# Altium PCB Controller A20.PcbDoc (part 2 of 2)
Units mm, origin at the board's own origin, x right, y up, seen from the top; angles counter-clockwise.
Board outline 197 x 100 mm, 4 copper layers (Top Layer, L2 (GND), L3 (PWR), Bottom Layer), stack 1.445 mm thick; 205 components, 161 nets, 772 pads, 878 vias.
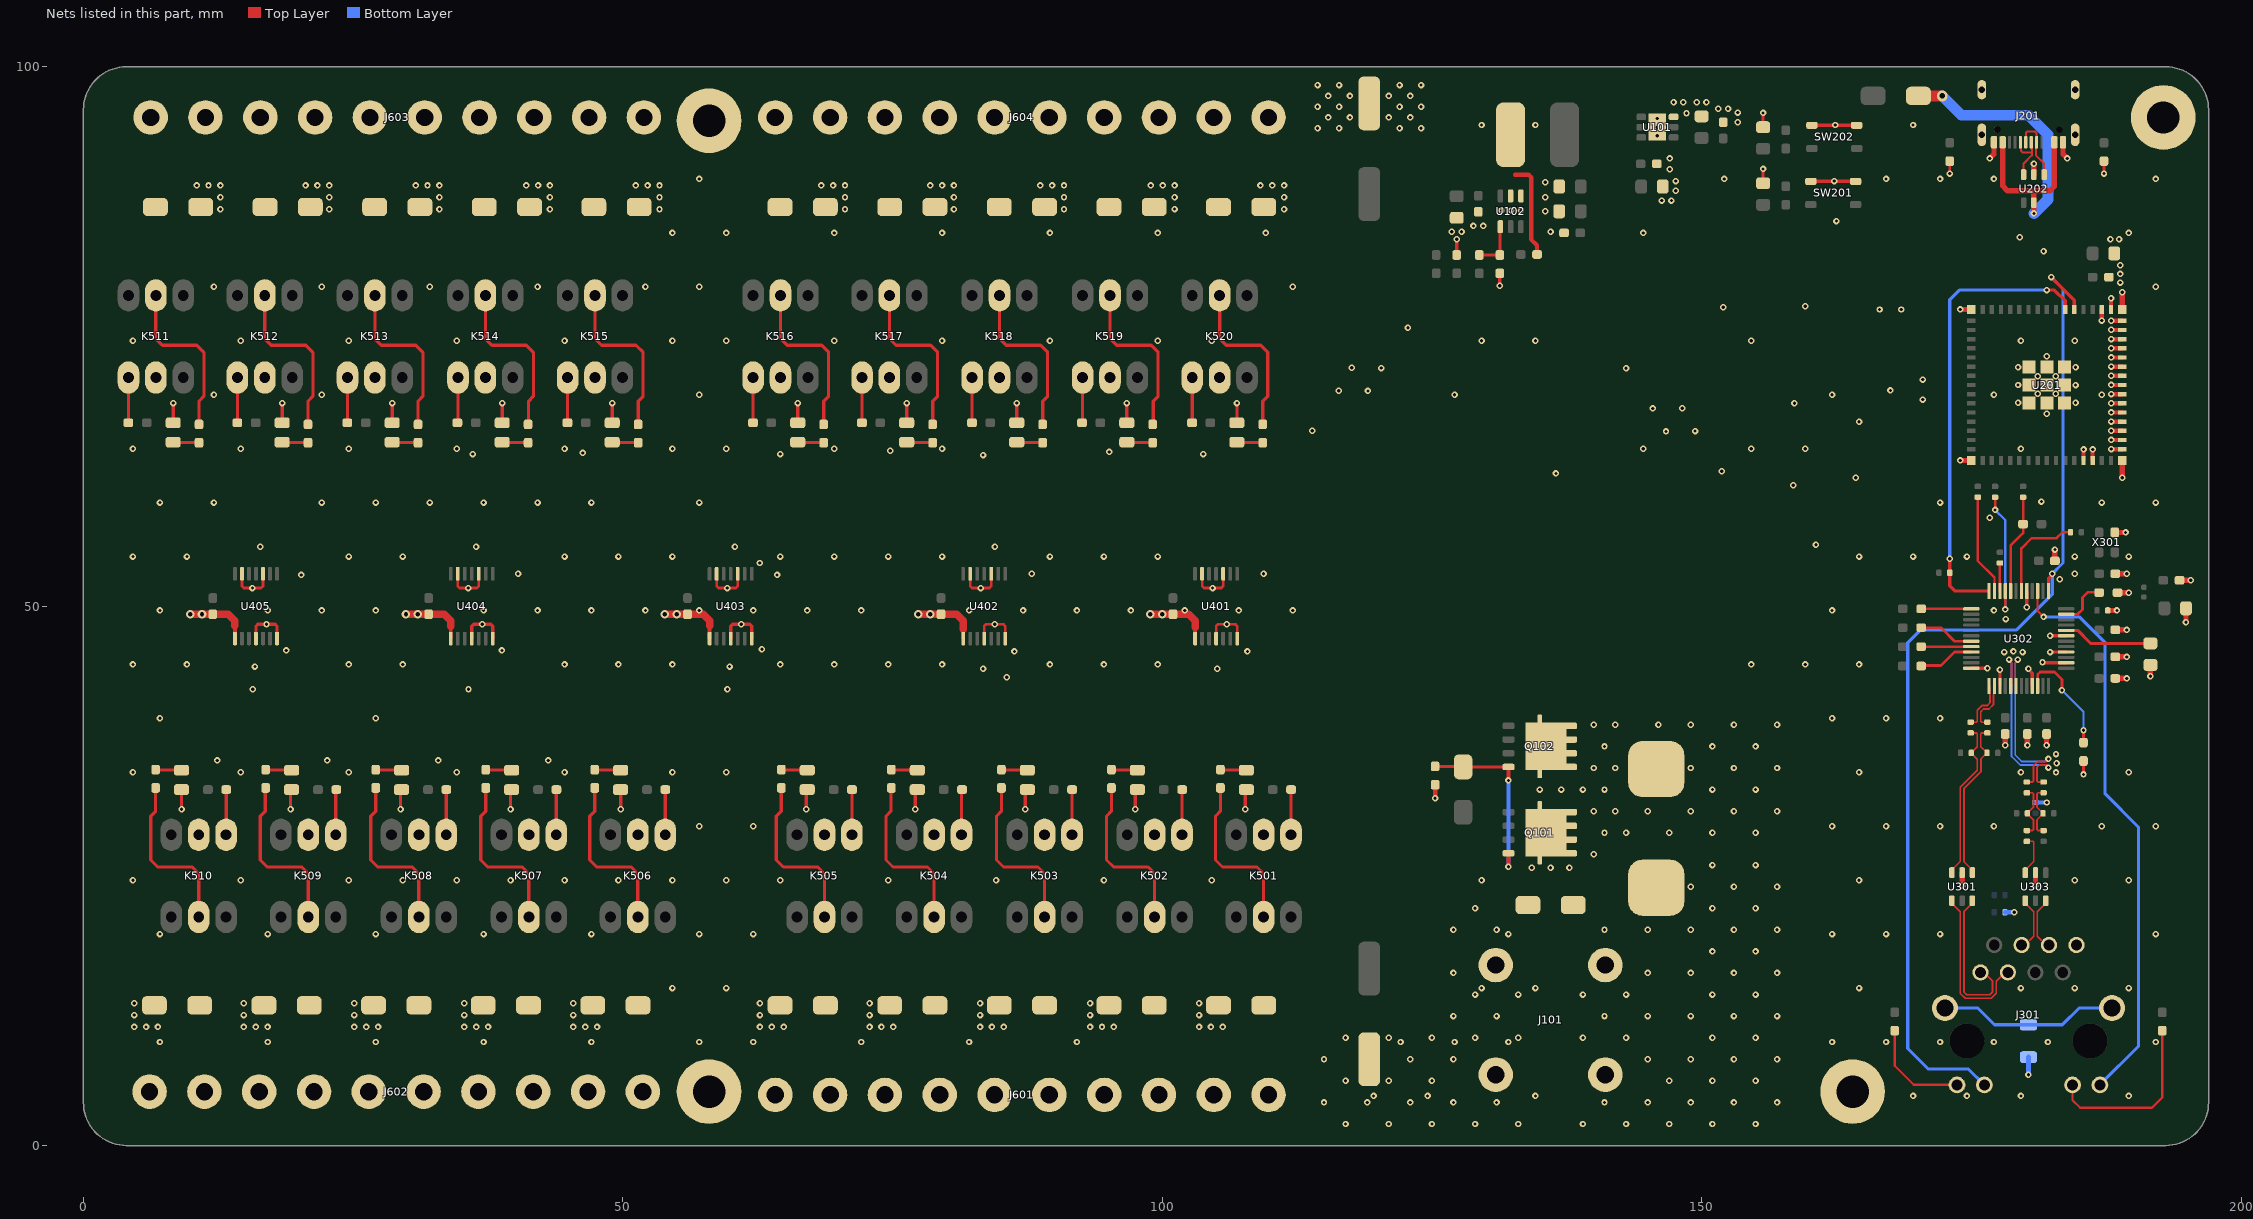
[diagram p4: the nets of this part, all layers, seen from the top]

## Via types
v1: diameter 0.6, hole 0.3, Top Layer to Bottom Layer, tented both sides, 842 vias
v2: diameter 0.8, hole 0.4, Top Layer to Bottom Layer, tented both sides, 21 vias
v3: diameter 0.6, hole 0.3, Top Layer to Bottom Layer, tented top, 7 vias
v4: diameter 0.6, hole 0.3, Top Layer to Bottom Layer, tented bottom, 6 vias
v5: diameter 1, hole 0.5, Top Layer to Bottom Layer, tented both sides, 2 vias

## Nets (pads, with @x,y where several pads share a name; then routed paths per layer and width w, separated by ;. In a path a pad name is that pad's centre, name@x,y a point inside that pad or via, vN(x,y) a via of type N, cw(c..) or ccw(c..) an arc to the next point about the centre after c; other vN are vias at no path point) (continued)
ETH_RX_P: C310.2 U303.3 | length 3.6
  Top Layer w0.16: U303.3@180,25.55 180.785,26.335 180.785,27.743 180.785,28.106 180.691,28.2 C310.2@180.146,28.2
EXPRES1: R317.2 U302.10 | length 10.4
  Top Layer w0.25: U302.10@181.15,42.6 181.15,43.65 181.4,43.9 182.7,43.9 183.4,43.2 v1(183.4,42.2) ; R317.2@185.4,37.35 v1(185.4,38.5)
  Bottom Layer w0.2: v1(183.4,42.2) 185.4,40.2 v1(185.4,38.5)
FB: R103.1 R105.2 U102.4 | length 4.5
  Top Layer w0.3: R103.1@129.4,82.55 R105.2@131.3,82.55 131.325,82.575 131.325,85.15 U102.4@131.35,85.175
FET_Rev_G: D101.1 Q101.4 Q102.4 R101.2 | length 17.3
  Top Layer w0.3: R101.2@125.3,35.15 127.85,35.15 D101.1@127.9,35.1 127.905,35.095 Q102.4@132.1,35.095
  Top Layer w0.4: v1(132.1,25.845) Q101.4@132.1,27.095 ; v1(132.1,33.845) Q102.4@132.1,35.095
  Bottom Layer w0.4: v1(132.1,25.845) v1(132.1,33.845)
GND: C101.1 C102.1 C103.1 C104.1 C106.1 C107.1 C108.1 C109.1 C110.1 C111.2 C112.2 C201.1 C202.1 C203.1 C204.1 C301.1 C302.1 C303.1 C304.1 C305.1 C306.1 C307.1 C308.1 C309.1 C312.1 C313.1 C314.1 C315.1 C316.1 C317.1 C401.1 C402.1 C403.1 C404.1 C405.1 D102.1 D601.1 D602.1 D603.1 D604.1 D605.1 D606.1 D607.1 D608.1 D609.1 D610.1 D611.1 D612.1 D613.1 D614.1 D615.1 D616.1 D617.1 D618.1 D619.1 D620.1 D621.2 D622.2 D623.2 D624.2 D625.2 D626.2 D627.2 D628.2 D629.2 D630.2 D631.2 D632.2 D633.2 D634.2 D635.2 D636.2 D637.2 D638.2 D639.2 D640.2 J101.1 J102.1 J103.1 J104.1 J105.1 J201.A1B12/B1A12 J201.SH J301.8 J601.2 J601.4 J601.6 J601.8 J601.10 J602.2 J602.4 J602.6 J602.8 J602.10 J603.2 J603.4 J603.6 J603.8 J603.10 J604.2 J604.4 J604.6 J604.8 J604.10 K501.2 K502.2 K503.2 K504.2 K505.2 K506.2 K507.2 K508.2 K509.2 K510.2 K511.2 K512.2 K513.2 K514.2 K515.2 K516.2 K517.2 K518.2 K519.2 K520.2 R101.1 R104.1 R105.1 R201.1 R202.1 R317.1 R321.1 SW201.2 SW202.2 U101.3 U102.1 U201.1 U202.2 U301.2 U302.3 U302.29 U303.2 U401.1 U401.4 U401.7 U401.10 U401.13 U402.1 U402.4 U402.7 U402.10 U402.13 U403.1 U403.4 U403.7 U403.10 U403.13 U404.1 U404.4 U404.7 U404.10 U404.13 U405.1 U405.4 U405.7 U405.10 U405.13 X301.2 | length 190.2
  Top Layer w0.25: U405.13@14.7,53 14.7,51.85 14.875,51.675 v1(15.675,51.675) 16.475,51.675 16.65,51.85 U405.10@16.65,53 ; U404.13@34.7,53 34.7,51.85 34.875,51.675 v1(35.675,51.675) 36.475,51.675 36.65,51.85 U404.10@36.65,53 ; U403.13@58.7,53 58.7,51.85 58.875,51.675 v1(59.675,51.675) 60.475,51.675 60.65,51.85 U403.10@60.65,53 ; U402.13@82.2,53 82.2,51.85 82.375,51.675 v1(83.175,51.675) 83.975,51.675 84.15,51.85 U402.10@84.15,53 ; U402.4@83.5,47 83.5,48.15 83.675,48.325 v1(84.475,48.325) 85.275,48.325 85.45,48.15 U402.7@85.45,47 ; U401.13@103.7,53 103.7,51.85 103.875,51.675 v1(104.675,51.675) 105.475,51.675 105.65,51.85 U401.10@105.65,53 ; U401.4@105,47 105,48.15 105.175,48.325 v1(105.975,48.325) 106.775,48.325 106.95,48.15 U401.7@106.95,47 ; v1@173,90 v1(173,90.1) R202.1@173,91.25 ; v1(185.4,34.4) R317.1@185.4,35.65 ; v1@187.3,90 v1(187.3,90.1) R201.1@187.3,91.25
  Top Layer w0.3: D631.2@8.325,67.004 v1(8.325,68.825) ; v1(9.103,31.175) D630.2@9.103,32.996 ; U405.4@16,47 16,48.15 16.175,48.325 v1(16.975,48.325) 17.775,48.325 17.95,48.15 U405.7@17.95,47 ; D632.2@18.425,67.004 v1(18.425,68.825) ; v1(19.203,31.175) D629.2@19.203,32.996 ; D633.2@28.625,67.004 v1(28.625,68.825) ; v1(29.403,31.175) D628.2@29.403,32.996 ; U404.4@36,47 36,48.15 36.175,48.325 v1(36.975,48.325) 37.775,48.325 37.95,48.15 U404.7@37.95,47 ; D634.2@38.825,67.004 v1(38.825,68.825) ; v1(39.603,31.175) D627.2@39.603,32.996 ; D635.2@49.025,67.004 v1(49.025,68.825) ; v1(49.803,31.175) D626.2@49.803,32.996 ; U403.4@60,47 60,48.15 60.175,48.325 v1(60.975,48.325) 61.775,48.325 61.95,48.15 U403.7@61.95,47 ; D636.2@66.223,67.004 v1(66.223,68.825) ; v1(67.001,31.175) D625.2@67.001,32.996 ; D637.2@76.323,67.004 v1(76.323,68.825) ; v1(77.101,31.175) D624.2@77.101,32.996 ; D638.2@86.523,67.004 v1(86.523,68.825) ; v1(87.301,31.175) D623.2@87.301,32.996 ; D639.2@96.723,67.004 v1(96.723,68.825) ; v1(97.501,31.175) D622.2@97.501,32.996 ; D640.2@106.923,67.004 v1(106.923,68.825) ; v1(107.701,31.175) D621.2@107.701,32.996 ; R104.1@127.3,82.55 v1(127.3,84) ; v1(131.3,79.7) R105.1@131.3,80.85 ; C203.1@155.7,89.2 v1(155.7,90.525) ; C204.1@155.7,94.4 v1(155.7,95.725) ; SW201.2@160.138,89.387 162.287,89.387 v1(162.3,89.4) 162.313,89.387 SW201.2@164.263,89.387 ; SW202.2@160.237,94.587 v1@162.387,94.587 ; v1@162.412,94.587 SW202.2@164.362,94.587 ; U302.3@175,44.25 v1(176.5,44.25) ; U302.3@177.65,42.6 v1(177.65,44.1) ; v1(180.15,49.9) U302.29@180.15,51.4 ; v1(180.3,44.2) 180.3,44.15 180.65,43.8 U302.3@180.65,42.6 ; v1(181.6,44.8) 181.65,44.75 U302.3@183.8,44.75 ; v1(182.3,45.75) U302.3@183.8,45.75 ; v1(182.3,47.25) U302.3@183.8,47.25
  Top Layer w0.35: U405.1@14.05,47 14.05,48.2 ; U404.1@34.05,47 34.05,48.125 ; U403.1@58.05,47 58.05,48.2 ; U402.1@81.55,47 81.55,47.85 ; U401.1@103.05,47 103.05,48.05
  Top Layer w0.381: U201.1@185.4,63.5 v1@185.4,64.52 ; U201.1@186.25,63.5 v1@186.25,64.52
  Top Layer w0.4: v1(125.3,32.2) R101.1@125.3,33.45 ; v1@187.1,76.48 U201.1@187.1,77.5 ; U201.1@187.95,77.5 v1@187.95,78.52 ; v1@187.98,64.55 U201.1@189,64.55 ; v1@187.98,65.4 U201.1@189,65.4 ; v1@187.98,66.25 U201.1@189,66.25 ; v1@187.98,67.1 U201.1@189,67.1 ; v1@187.98,67.95 U201.1@189,67.95 ; v1@187.98,68.8 U201.1@189,68.8 ; v1@187.98,69.65 U201.1@189,69.65 ; v1@187.98,70.5 U201.1@189,70.5 ; v1@187.98,71.35 U201.1@189,71.35 ; v1@187.98,72.2 U201.1@189,72.2 ; v1@187.98,73.05 U201.1@189,73.05 ; v1@187.98,73.9 U201.1@189,73.9 ; v1@187.98,74.75 U201.1@189,74.75 ; v1@187.98,75.6 U201.1@189,75.6 ; v1@187.98,76.45 U201.1@189,76.45
  Top Layer w0.5: v1@173.98,63.5 U201.1@175,63.5 ; v1@173.98,77.5 U201.1@175,77.5 ; v1(174.15,24.1) U301.2@174.15,25.3 ; v1(176.7,91.5) 177.1,91.9 J201.A1B12/B1A12@177.1,93 ; v1(178.148,37.104) C305.1@178.148,38.154 ; v1(180.2,37.1) C304.1@180.2,38.15 ; U202.2@180.8,90 v1(180.8,91) ; v1(180.95,24.1) U303.2@180.95,25.3 ; v1(181.975,37.1) C308.1@181.975,38.15 ; C309.1@182.75,54.2 v1(182.75,55.25) ; J201.A1B12/B1A12@183.5,93 183.5,91.9 v1(183.9,91.5) ; R317.1@185.397,35.647 R317.1@185.4,35.65 ; C314.1@187.65,49.6 v1(188.5,49.6) ; X301.2@188.25,56.833 X301.2@188.3,56.833 v1(189.3,56.833) ; C307.1@188.35,43.3 v1(189.4,43.3) ; C306.1@188.35,45.3 v1(189.4,45.3) ; C303.1@188.35,47.8 v1(189.4,47.8) ; C316.1@188.35,53.008 v1(189.4,53.008) ; R321.1@188.55,51.254 v1(189.6,51.254) ; v1(189,61.9) U201.1@189,63.5 ; U201.1@189,77.5 v1(189,79.1) ; v1(191.6,43.5) C313.1@191.6,44.55 ; C301.1@194.3,52.4 v1(195.35,52.4) ; v1(194.9,48.5) C302.1@194.9,49.8
  Top Layer w0.7: v2(9.9,49.25) v2(11,49.25) 13.45,49.25 14.05,48.65 14.05,48.2 ; v2(29.9,49.25) 33.45,49.25 34.05,48.65 34.05,48.125 ; v2(53.9,49.25) v2(55,49.25) 57.45,49.25 58.05,48.65 58.05,48.2 ; v2(77.4,49.25) v2(78.5,49.25) 80.95,49.25 81.55,48.65 81.55,47.85 ; v2(98.9,49.25) v2(100,49.25) 102.45,49.25 103.05,48.65 103.05,48.05
  Bottom Layer w0.4: C317.1@178.125,21.625 v1(178.975,21.625) ; C312.1@180.95,31.8 v1(182,31.8)
  Bottom Layer w0.5: v1(180.3,6.575) C315.1@180.3,8.2
  other v1: 117,2 121,2 125,2 129,2 133,2 115,4 119,4 123,4 127,4 131,4 119.6,4.6 124.6,4.6 134.6,4.6 169.6,4.6 174.6,4.6 179.6,4.6 189.6,4.6 117,6 121,6 125,6 115,8 123,8 127,8 7.1,9.6 17.1,9.6 27.1,9.6 37.1,9.6 47.1,9.6 57.1,9.6 62.1,9.6 72.1,9.6 82.1,9.6 92.1,9.6 122.1,9.6 127.1,9.6 132.1,9.6 162.1,9.6 167.1,9.6 172.1,9.6 177.1,9.6 182.1,9.6 192.1,9.6 117,10 121,10 125,10 129,10 133,10 4.711,10.995 5.811,10.995 6.911,10.995 14.871,10.995 15.971,10.995 17.071,10.995 25.115,10.995 26.215,10.995 27.315,10.995 35.315,10.995 36.415,10.995 37.515,10.995 45.415,10.995 46.515,10.995 47.615,10.995 62.717,11 63.817,11 64.917,11 72.877,11 73.977,11 75.077,11 83.121,11 84.221,11 85.321,11 93.321,11 94.421,11 95.521,11 103.421,11 104.521,11 105.621,11 127,12 131,12 4.711,12.095 14.871,12.095 25.115,12.095 35.315,12.095 45.415,12.095 62.717,12.1 72.877,12.1 83.121,12.1 93.321,12.1 103.421,12.1 4.711,13.195 14.871,13.195 25.115,13.195 35.315,13.195 45.415,13.195 62.717,13.2 72.877,13.2 83.121,13.2 93.321,13.2 103.421,13.2 129,14 133,14 54.6,14.6 59.6,14.6 129.6,14.6 134.6,14.6 164.6,14.6 179.6,14.6 184.6,14.6 189.6,14.6 127,16 7.1,19.6 17.1,19.6 27.1,19.6 37.1,19.6 47.1,19.6 57.1,19.6 62.1,19.6 132.1,19.6 162.1,19.6 167.1,19.6 172.1,19.6 192.1,19.6 127,20 131,20 129,22 4.6,24.6 14.6,24.6 24.6,24.6 29.6,24.6 34.6,24.6 39.6,24.6 44.6,24.6 49.6,24.6 54.6,24.6 59.6,24.6 64.6,24.6 74.6,24.6 84.6,24.6 94.6,24.6 104.6,24.6 129.6,24.6 164.6,24.6 184.6,24.6 189.6,24.6 57.1,29.6 62.1,29.6 162.1,29.6 167.1,29.6 172.1,29.6 177.1,29.6 187.1,29.6 192.1,29.6 4.6,34.6 14.6,34.6 24.6,34.6 34.6,34.6 44.6,34.6 54.6,34.6 59.6,34.6 164.6,34.6 179.6,34.6 182.85,34.59 189.6,34.6 182.9,35.44 12.4,35.7 22.6,35.7 32.9,35.7 43.1,35.7 182.85,36.29 7.1,39.6 27.1,39.6 162.1,39.6 167.1,39.6 172.1,39.6 15.7,42.3 35.7,42.3 59.7,42.3 85.6,43.4 83.4,44.2 105.1,44.2 15.9,44.4 59.9,44.4 4.6,44.6 9.6,44.6 24.6,44.6 29.6,44.6 44.6,44.6 49.6,44.6 54.6,44.6 64.6,44.6 69.6,44.6 74.6,44.6 79.6,44.6 89.6,44.6 94.6,44.6 99.6,44.6 154.6,44.6 159.6,44.6 164.6,44.6 178.05,45.75 179.75,45.75 86.3,45.8 107.9,45.8 178.9,45.8 18.8,45.9 38.8,45.9 62.9,46 178.2,48.8 7.1,49.6 17.1,49.6 22.1,49.6 27.1,49.6 37.1,49.6 42.1,49.6 47.1,49.6 52.1,49.6 57.1,49.6 62.1,49.6 67.1,49.6 72.1,49.6 82.1,49.6 87.1,49.6 92.1,49.6 97.1,49.6 102.1,49.6 107.1,49.6 112.1,49.6 162.1,49.6 177.1,49.6 183.2,52.5 20.2,52.9 64.3,52.9 40.3,53 87.9,53 109.4,53 184.6,53 62.7,54 4.6,54.6 9.6,54.6 24.6,54.6 29.6,54.6 44.6,54.6 49.6,54.6 54.6,54.6 64.6,54.6 69.6,54.6 74.6,54.6 79.6,54.6 89.6,54.6 94.6,54.6 99.6,54.6 164.6,54.6 169.6,54.6 174.6,54.6 184.6,54.6 189.6,54.6 16.4,55.5 36.4,55.5 60.4,55.5 84.5,55.5 160.6,55.7 176.7,58.2 7.1,59.6 12.1,59.6 22.1,59.6 27.1,59.6 32.1,59.6 37.1,59.6 42.1,59.6 47.1,59.6 57.1,59.6 172.1,59.6 187.1,59.6 192.1,59.6 181.5,59.7 158.5,61.2 164.3,61.9 136.5,62.3 173.969,63.511 83.4,64 36.1,64.1 64.6,64.1 103.8,64.1 46.3,64.2 95.1,64.3 74.8,64.4 185.411,64.531 186.261,64.531 187.969,64.561 4.6,64.6 14.6,64.6 24.6,64.6 34.6,64.6 44.6,64.6 54.6,64.6 59.6,64.6 69.6,64.6 79.6,64.6 154.6,64.6 159.6,64.6 179.6,64.6 187.969,65.411 187.969,66.261 164.6,67.1 187.969,67.111 181.999,67.832 187.969,67.961 158.6,68.8 187.969,68.811 179.332,68.851 184.668,68.849 170.5,69.15 12.1,69.6 22.1,69.6 57.1,69.6 127.1,69.6 162.1,69.6 177.1,69.6 187.1,69.6 187.969,69.661 181.161,69.687 182.837,69.687 167.5,70 179.332,70.501 184.668,70.499 187.969,70.511 170.5,71 181.161,71.313 182.837,71.313 187.969,71.361 179.332,72.151 184.668,72.149 187.969,72.211 187.969,73.061 182.001,73.168 187.969,73.911 4.6,74.6 14.6,74.6 24.6,74.6 34.6,74.6 44.6,74.6 54.6,74.6 59.6,74.6 69.6,74.6 79.6,74.6 89.6,74.6 99.6,74.6 104.6,74.6 129.6,74.6 134.6,74.6 154.6,74.6 179.6,74.6 184.6,74.6 187.969,74.761 187.969,75.611 187.969,76.461 187.089,76.469 166.5,77.5 168.5,77.5 173.969,77.511 152,77.7 159.6,77.8 187.961,78.531 12.1,79.6 22.1,79.6 32.1,79.6 42.1,79.6 52.1,79.6 57.1,79.6 112.1,79.6 192.1,79.6 188.8,80 188.8,80.8 188.8,81.6 181.7,82.9 187.9,84 188.7,84 179.5,84.2 54.6,84.6 59.6,84.6 69.6,84.6 79.6,84.6 89.6,84.6 99.6,84.6 109.6,84.6 144.6,84.6 189.6,84.6 126.85,84.7 127.75,84.7 136,84.7 128.85,85.25 129.75,85.25 162.5,85.7 135.5,86.6 131.45,86.675 132.35,86.675 133.25,86.675 12.7,86.8 22.8,86.8 33,86.8 43.244,86.8 53.404,86.8 70.598,86.8 80.698,86.8 90.898,86.8 111.302,86.8 101.147,86.805 146.3,87.6 147.2,87.6 12.7,87.9 22.8,87.9 33,87.9 43.244,87.9 53.404,87.9 70.598,87.9 80.698,87.9 90.898,87.9 101.147,87.905 111.302,87.9 135.5,87.9 147.6,88.5 10.5,89 11.6,89 12.7,89 20.6,89 21.7,89 22.8,89 30.8,89 31.9,89 33,89 41.044,89 42.144,89 43.244,89 51.204,89 52.304,89 53.404,89 68.398,89 69.498,89 70.598,89 78.498,89 79.598,89 80.698,89 88.698,89 89.798,89 90.898,89 98.947,89.005 100.047,89.005 101.147,89.005 109.102,89 110.202,89 111.302,89 135.5,89.3 147.6,89.4 57.1,89.6 152.1,89.6 167.1,89.6 172.1,89.6 177.1,89.6 192.1,89.6 147.05,90.5 147.05,91.5 145.9,93.6 114.4,94.3 116.4,94.3 122,94.3 124,94.3 145.9,94.4 129.6,94.6 134.6,94.6 162.4,94.6 169.6,94.6 153.35,94.85 145.9,95.2 115.4,95.3 117.4,95.3 121,95.3 123,95.3 148.6,95.7 153.35,95.75 151.55,96.1 152.45,96.1 114.4,96.3 116.4,96.3 122,96.3 124,96.3 147.4,96.7 148.3,96.7 149.55,96.7 150.45,96.7 115.4,97.3 117.4,97.3 121,97.3 123,97.3 114.4,98.3 116.4,98.3 122,98.3 124,98.3
  other v2: 31,49.25
  other v3: 151.875,62.5 144.6,64.6 146.7,66.2 149.4,66.225 145.475,68.325 148.2,68.35 143,72.05
  other v4: 113.9,66.25 119.075,69.95 116.375,69.975 120.3,72.075 117.575,72.1 122.775,75.8
LED_A_1: D621.1 R601.1 | length 2.4
  Top Layer w0.3: R601.1@105.395,34.845 105.42,34.82 107.77,34.82 D621.1@107.795,34.795
LED_A_2: D622.1 R602.1 | length 2.4
  Top Layer w0.3: R602.1@95.295,34.845 95.32,34.82 97.67,34.82 D622.1@97.695,34.795
LED_A_3: D623.1 R603.1 | length 2.4
  Top Layer w0.3: R603.1@85.095,34.845 85.12,34.82 87.47,34.82 D623.1@87.495,34.795
LED_A_4: D624.1 R604.1 | length 2.4
  Top Layer w0.3: R604.1@74.851,34.845 74.876,34.82 77.226,34.82 D624.1@77.251,34.795
LED_A_5: D625.1 R605.1 | length 2.4
  Top Layer w0.3: R605.1@64.691,34.845 64.716,34.82 67.066,34.82 D625.1@67.091,34.795
LED_A_6: D626.1 R606.1 | length 2.4
  Top Layer w0.3: R606.1@47.394,34.845 47.419,34.82 49.769,34.82 D626.1@49.794,34.795
LED_A_7: D627.1 R607.1 | length 2.4
  Top Layer w0.3: R607.1@37.294,34.845 37.319,34.82 39.669,34.82 D627.1@39.694,34.795
LED_A_8: D628.1 R608.1 | length 2.4
  Top Layer w0.3: R608.1@27.094,34.845 27.119,34.82 29.469,34.82 D628.1@29.494,34.795
LED_A_9: D629.1 R609.1 | length 2.4
  Top Layer w0.3: R609.1@16.85,34.845 16.875,34.82 19.225,34.82 D629.1@19.25,34.795
LED_A_10: D630.1 R610.1 | length 2.4
  Top Layer w0.3: R610.1@6.69,34.845 6.715,34.82 9.065,34.82 D630.1@9.09,34.795
LED_A_11: D631.1 R611.1 | length 2.4
  Top Layer w0.3: D631.1@8.321,65.2 8.346,65.175 10.696,65.175 R611.1@10.721,65.15
LED_A_12: D632.1 R612.1 | length 2.4
  Top Layer w0.3: D632.1@18.421,65.2 18.446,65.175 20.796,65.175 R612.1@20.821,65.15
LED_A_13: D633.1 R613.1 | length 2.4
  Top Layer w0.3: D633.1@28.621,65.2 28.646,65.175 30.996,65.175 R613.1@31.021,65.15
LED_A_14: D634.1 R614.1 | length 2.4
  Top Layer w0.3: D634.1@38.865,65.2 38.89,65.175 41.24,65.175 R614.1@41.265,65.15
LED_A_15: D635.1 R615.1 | length 2.4
  Top Layer w0.3: D635.1@49.025,65.2 49.05,65.175 51.4,65.175 R615.1@51.425,65.15
LED_A_16: D636.1 R616.1 | length 2.4
  Top Layer w0.3: D636.1@66.224,65.205 66.249,65.18 68.599,65.18 R616.1@68.624,65.155
LED_A_17: D637.1 R617.1 | length 2.4
  Top Layer w0.3: D637.1@76.324,65.205 76.349,65.18 78.699,65.18 R617.1@78.724,65.155
LED_A_18: D638.1 R618.1 | length 2.4
  Top Layer w0.3: D638.1@86.524,65.205 86.549,65.18 88.899,65.18 R618.1@88.924,65.155
LED_A_19: D639.1 R619.1 | length 2.4
  Top Layer w0.3: D639.1@96.768,65.205 96.793,65.18 99.143,65.18 R619.1@99.168,65.155
LED_A_20: D640.1 R620.1 | length 2.4
  Top Layer w0.3: D640.1@106.928,65.205 106.953,65.18 109.303,65.18 R620.1@109.328,65.155
LOAD1: D601.2 J601.1 K501.5 R601.2 | length 15.9
  Top Layer w0.3: R601.2@105.395,33.145 105.395,30.999 104.941,30.545 104.941,26.47 105.591,25.82 108.791,25.82 109.395,25.216 K501.5@109.395,21.185
LOAD2: D602.2 J601.3 K502.5 R602.2 | length 15.9
  Top Layer w0.3: R602.2@95.295,33.145 95.295,30.999 94.841,30.545 94.841,26.47 95.491,25.82 98.691,25.82 99.295,25.216 K502.5@99.295,21.185
LOAD3: D603.2 J601.5 K503.5 R603.2 | length 15.9
  Top Layer w0.3: R603.2@85.095,33.145 85.095,30.999 84.641,30.545 84.641,26.47 85.291,25.82 88.491,25.82 89.095,25.216 K503.5@89.095,21.185
LOAD4: D604.2 J601.7 K504.5 R604.2 | length 15.9
  Top Layer w0.3: R604.2@74.851,33.145 74.851,30.999 74.397,30.545 74.397,26.47 75.047,25.82 78.247,25.82 78.851,25.216 K504.5@78.851,21.185
LOAD5: D605.2 J601.9 K505.5 R605.2 | length 15.9
  Top Layer w0.3: R605.2@64.691,33.145 64.691,30.999 64.237,30.545 64.237,26.47 64.887,25.82 68.087,25.82 68.691,25.216 K505.5@68.691,21.185
LOAD6: D606.2 J602.1 K506.5 R606.2 | length 15.9
  Top Layer w0.3: R606.2@47.394,33.145 47.394,30.999 46.94,30.545 46.94,26.47 47.59,25.82 50.79,25.82 51.394,25.216 K506.5@51.394,21.185
LOAD7: D607.2 J602.3 K507.5 R607.2 | length 15.9
  Top Layer w0.3: R607.2@37.294,33.145 37.294,30.999 36.84,30.545 36.84,26.47 37.49,25.82 40.69,25.82 41.294,25.216 K507.5@41.294,21.185
LOAD8: D608.2 J602.5 K508.5 R608.2 | length 15.9
  Top Layer w0.3: R608.2@27.094,33.145 27.094,30.999 26.64,30.545 26.64,26.47 27.29,25.82 30.49,25.82 31.094,25.216 K508.5@31.094,21.185
LOAD9: D609.2 J602.7 K509.5 R609.2 | length 15.9
  Top Layer w0.3: R609.2@16.85,33.145 16.85,30.999 16.396,30.545 16.396,26.47 17.046,25.82 20.246,25.82 20.85,25.216 K509.5@20.85,21.185
LOAD10: D610.2 J602.9 K510.5 R610.2 | length 15.9
  Top Layer w0.3: R610.2@6.69,33.145 6.69,30.999 6.236,30.545 6.236,26.47 6.886,25.82 10.086,25.82 10.69,25.216 K510.5@10.69,21.185
LOAD11: D611.2 J603.1 K511.5 R611.2 | length 15.9
  Top Layer w0.3: K511.5@6.721,78.81 6.721,74.779 7.325,74.175 10.525,74.175 11.175,73.525 11.175,69.45 10.721,68.996 R611.2@10.721,66.85
LOAD12: D612.2 J603.3 K512.5 R612.2 | length 15.9
  Top Layer w0.3: K512.5@16.821,78.81 16.821,74.779 17.425,74.175 20.625,74.175 21.275,73.525 21.275,69.45 20.821,68.996 R612.2@20.821,66.85
LOAD13: D613.2 J603.5 K513.5 R613.2 | length 15.9
  Top Layer w0.3: K513.5@27.021,78.81 27.021,74.779 27.625,74.175 30.825,74.175 31.475,73.525 31.475,69.45 31.021,68.996 R613.2@31.021,66.85
LOAD14: D614.2 J603.7 K514.5 R614.2 | length 15.9
  Top Layer w0.3: K514.5@37.265,78.81 37.265,74.779 37.869,74.175 41.069,74.175 41.719,73.525 41.719,69.45 41.265,68.996 R614.2@41.265,66.85
LOAD15: D615.2 J603.9 K515.5 R615.2 | length 15.9
  Top Layer w0.3: K515.5@47.425,78.81 47.425,74.779 48.029,74.175 51.229,74.175 51.879,73.525 51.879,69.45 51.425,68.996 R615.2@51.425,66.85
LOAD16: D616.2 J604.1 K516.5 R616.2 | length 15.9
  Top Layer w0.3: K516.5@64.624,78.815 64.624,74.784 65.228,74.18 68.428,74.18 69.078,73.53 69.078,69.455 68.624,69.001 R616.2@68.624,66.855
LOAD17: D617.2 J604.3 K517.5 R617.2 | length 15.9
  Top Layer w0.3: K517.5@74.724,78.815 74.724,74.784 75.328,74.18 78.528,74.18 79.178,73.53 79.178,69.455 78.724,69.001 R617.2@78.724,66.855
LOAD18: D618.2 J604.5 K518.5 R618.2 | length 15.9
  Top Layer w0.3: K518.5@84.924,78.815 84.924,74.784 85.528,74.18 88.728,74.18 89.378,73.53 89.378,69.455 88.924,69.001 R618.2@88.924,66.855
LOAD19: D619.2 J604.7 K519.5 R619.2 | length 15.9
  Top Layer w0.3: K519.5@95.168,78.815 95.168,74.784 95.772,74.18 98.972,74.18 99.622,73.53 99.622,69.455 99.168,69.001 R619.2@99.168,66.855
LOAD20: D620.2 J604.9 K520.5 R620.2 | length 15.9
  Top Layer w0.3: K520.5@105.328,78.815 105.328,74.784 105.932,74.18 109.132,74.18 109.782,73.53 109.782,69.455 109.328,69.001 R620.2@109.328,66.855
PMODE0: R309.1 U302.45 | length 5.2
  Top Layer w0.25: R309.1@170.35,44.496 172.196,44.496 173.45,45.75 U302.45@175,45.75
PMODE1: R308.1 U302.44 | length 4.7
  Top Layer w0.25: R308.1@170.35,46.25 U302.44@175,46.25
PMODE2: R307.1 U302.43 | length 5.2
  Top Layer w0.25: R307.1@170.35,48.004 172.196,48.004 173.45,46.75 U302.43@175,46.75
RJ45_SH: C315.2 J301.SH | length 16.8
  Bottom Layer w0.3: J301.SH@172.555,12.75 175.6,12.75 177.15,11.2 C315.2@180.3,11.2 183.45,11.2 185,12.75 J301.SH@188.045,12.75
RJ_GLED_A: J301.11 R315.2 | length 16.6
  Top Layer w0.2: J301.11@184.385,5.62 184.385,4.215 185.1,3.5 191.75,3.5 192.7,4.45 R315.2@192.7,10.65
RJ_RX_N: J301.6 U303.6 | length 5.1
  Top Layer w0.16: U303.6@181.9,22.7 181.9,22.45 181.115,21.665 181.115,19.4 181.925,18.59 J301.6@182.205,18.59
RJ_RX_P: J301.4 U303.4 | length 5.1
  Top Layer w0.16: J301.4@179.665,18.59 179.975,18.59 180.785,19.4 180.785,21.665 180,22.45 U303.4@180,22.7
RJ_TX_N: J301.3 U301.4 | length 14.9
  Top Layer w0.16: U301.4@173.2,22.45 173.985,21.665 173.985,14.098 174.433,13.65 176.842,13.65 177.305,14.113 177.305,15.24 178.115,16.05 J301.3@178.395,16.05
RJ_TX_P: J301.1 U301.6 | length 13.9
  Top Layer w0.16: U301.6@175.1,22.45 174.315,21.665 174.315,14.235 174.57,13.98 176.705,13.98 176.975,14.25 176.975,15.24 176.165,16.05 J301.1@175.855,16.05
RJ_YLED_A: J301.9 R314.2 | length 9.8
  Top Layer w0.2: R314.2@167.9,10.65 167.9,7.4 169.665,5.635 173.66,5.635 J301.9@173.675,5.62
RX_N: C311.1 R311.2 R313.2 | length 5.1
  Top Layer w0.16: R313.2@181.65,30.787 181.088,31.349 181.088,32.059 181.092,32.063 181.092,32.606 181.186,32.7 R311.2@181.704,32.7 ; R313.2@181.65,30.8 181.65,30.774 181.088,30.212 181.088,29.972 181.088,29.294 181.182,29.2 C311.1@181.7,29.2